# KiCad board EC60.kicad_pcb (continued)
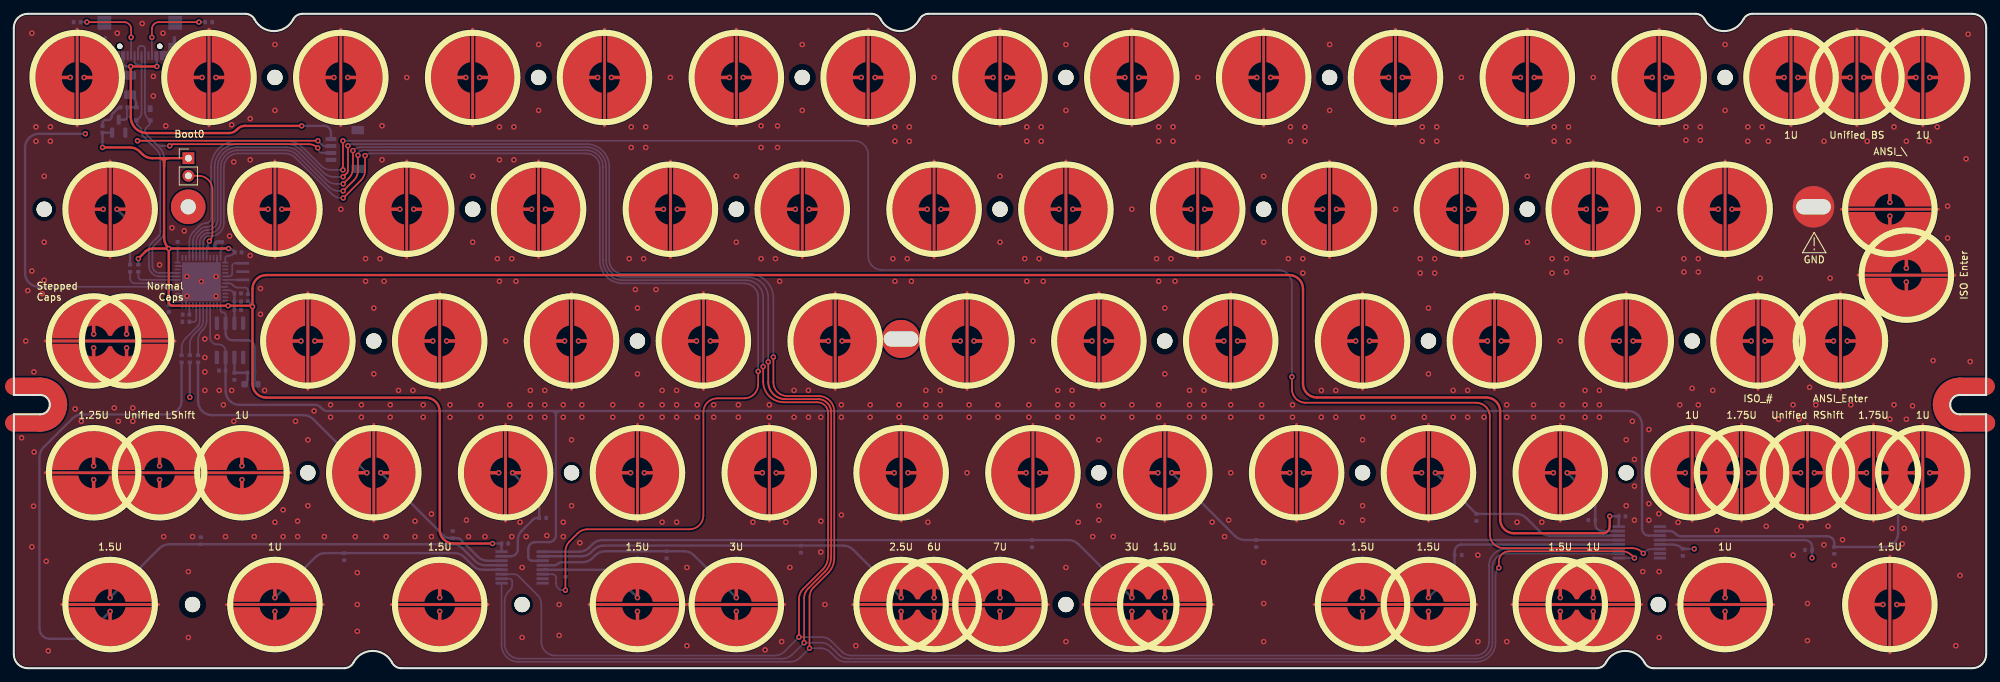
[diagram p0: board, top side]
## Routing (per net, layer and track width the routed paths; a pad name or vN(x,y) marks a point on that pad's centre or on a via; arc(x,y) is an arc through that point) (continued)
VBAT: length 393.6
  Top w0.35: 21.71,72.61 21.71,73.13 ; 21.71,72.61 21.71,73.13 ; 21.71,72.61 21.71,62.3 arc(21.88,61.42) v1(22.39,60.67) ; 21.71,73.13 arc(21.53,73.55) 21.11,73.73 ; 21.71,73.13 arc(21.88,73.55) 22.31,73.73 ; v1(22.39,60.67) 20.07,60.67 arc(19.49,60.55) 19.01,60.23 v1(17.99,59.21) ; v1(22.39,60.67) v1(22.39,53.49) 22.39,52.9 arc(22.53,52.54) 22.89,52.4 v1(30.97,52.4) 34.18,52.4 arc(34.35,52.36) v1(34.48,52.27) ; v1(22.39,60.67) v1(31.03,60.67) ; v1(230.61,21.96) 230.61,20.5 arc(230.31,19.8) 229.61,19.5 216.77,19.5 arc(215.36,20.09) 214.77,21.5 214.77,37.13 arc(214.19,38.55) 212.77,39.13 188.28,39.13 arc(186.87,39.72) 186.28,41.13 186.28,54.83 arc(185.7,56.25) 184.28,56.83 36.48,56.83 arc(35.07,56.25) 34.48,54.83 v1(34.48,52.27) ; SW1.1 19.99,73.73 arc(19.22,73.88) 18.57,74.31 18.19,74.69 arc(17.54,75.13) 16.78,75.28 v1(12.81,75.28) ; v1(34.48,52.27) 34.48,41.11 arc(35.07,39.7) 36.48,39.11 59.54,39.11 arc(60.95,38.53) 61.54,37.11 61.54,20.02 arc(62.12,18.61) 63.54,18.02 v1(69.16,18.02)
  Bottom w0.25: U1.36 C6.1 ; U1.48 29.86,60.15 arc(29.92,60.43) C7.1 ; R26.1 34.38,52.51 arc(34.46,52.4) v1(34.48,52.27) ; U1.1 30.55,59.23 arc(30.66,59.51) 30.94,59.62 31.07,59.62 arc(31.42,59.69) 31.71,59.89 C4.1 ; C13.1 31.63,54.43 arc(31.4,54.58) 31.12,54.64 U1.9 ; C5.1 U1.24
  Bottom w0.35: R22.2 17.99,59.41 ; 31.87,52.39 C8.1 C13.1 ; 31.87,52.39 U3.7 ; 31.87,52.39 31.87,52.4 v1(30.97,52.4) ; v1(230.61,21.96) C12.2 U4.16 ; v1(12.81,75.28) C3.1 U5.2 ; C4.1 31.66,60.4 arc(31.37,60.6) v1(31.03,60.67) 30.08,60.67 arc(30.08,60.67) C7.1 ; v1(22.39,60.67) C6.1 ; v1(22.39,53.49) C5.1 ; U2.16 C9.2 ; 70.47,18.02 v1(69.16,18.02)
VBUS: length 48.4
  Top w0.35: v1(20.67,86.99) v1(16.89,86.99) 16.89,79.73 arc(17.58,78.06) 19.25,77.36 31.11,77.36 arc(31.68,77.48) 32.17,77.8 32.33,77.97 arc(32.82,78.29) 33.4,78.41 v1(41.59,78.41)
  Bottom w0.35: v1(41.59,78.41) 44.82,78.41 arc(45.53,78.11) 45.82,77.41 J1.1 ; 20.65,88.5 20.65,87.01 v1(20.67,86.99) ; 15.75,88.5 15.75,87.59 arc(15.9,87.19) 16.28,86.99 16.89,86.99 arc(16.89,86.99) v1(16.89,86.99) 16.89,85.8 arc(16.86,85.74) F1.2
ADC: length 16.1
  Bottom w0.25: U1.13 29.86,51.72 arc(29.95,51.51) 30.16,51.42 30.3,51.42 arc(30.51,51.33) 30.6,51.12 U3.6
  Bottom w0.35: 32.86,47.4 31.6,47.4 arc(30.89,47.69) 30.6,48.4 U3.6 ; 32.86,47.4 33.77,47.4 arc(34.48,47.11) 34.77,46.4 R16.1 34.77,41.72 arc(34.82,41.48) 34.95,41.27 JP1.1 ; 32.86,47.4 33.67,47.4
AMUX_SEL_0: length 362.7
  Top w0.25: v1(49.73,74.14) 49.73,71.96 arc(49.58,71.19) 49.14,70.54 v1(47.58,68.98) ; v1(113.45,4.49) 113.45,10.01 arc(113.6,10.78) 114.04,11.43 116.87,14.26 arc(117.45,15.13) 117.65,16.15 117.65,36.9 arc(117.2,37.99) 116.11,38.44 111.28,38.44 arc(109.16,39.32) 108.28,41.44 v1(108.28,43.59)
  Bottom w0.25: 85.12,72.45 85.12,58.96 arc(85.97,56.93) 88.01,56.08 105.78,56.08 arc(107.54,55.35) 108.28,53.58 v1(108.28,43.59) ; U2.11 72.25,13.58 arc(72.63,13.51) 72.95,13.29 75.64,10.61 arc(76.07,9.96) 76.22,9.19 76.22,3.82 arc(76.81,2.41) 78.22,1.82 109.95,1.82 arc(110.72,1.97) 111.37,2.41 v1(113.45,4.49) 116.71,4.49 arc(117.48,4.34) 118.13,3.91 119.63,2.41 arc(120.27,1.97) 121.04,1.82 211.17,1.82 arc(212.58,2.41) 213.17,3.82 213.17,14.86 arc(213.86,16.53) 215.53,17.22 U4.11 ; v1(47.58,68.98) 46.97,68.98 arc(46.2,69.13) 45.55,69.57 40.97,74.15 arc(40.17,74.69) 39.23,74.87 32.36,74.87 arc(30.62,74.15) 29.9,72.41 29.9,64.53 arc(29.43,63.38) 28.28,62.9 27.98,62.9 arc(27.7,62.85) 27.47,62.69 27.15,62.37 arc(26.94,62.05) 26.86,61.67 U1.42 ; 85.12,72.48 arc(84.42,74.17) 82.73,74.87 53.95,74.87 53.95,74.87 50.46,74.87 arc(49.94,74.66) v1(49.73,74.14)
AMUX_SEL_1: length 367.1
  Top w0.25: v1(47.58,70.01) 48.42,70.85 arc(48.85,71.5) 49,72.26 v1(49,74.83) ; v1(109.01,44.28) 109.01,41.39 109.01,41.24 109.05,40.94 109.12,40.65 109.23,40.37 109.37,40.1 109.54,39.85 109.74,39.62 109.97,39.42 110.22,39.25 110.49,39.11 110.77,39 111.06,38.93 111.36,38.89 111.51,38.89 116.21,38.89 116.34,38.89 116.61,38.85 116.87,38.78 117.12,38.66 117.35,38.52 117.55,38.34 117.73,38.14 117.87,37.91 117.99,37.66 118.06,37.4 118.1,37.13 118.1,37 118.1,16.08 arc(117.88,14.94) 117.23,13.98 114.78,11.52 arc(114.34,10.88) 114.19,10.11 v1(114.19,3.68)
  Bottom w0.25: v1(109.01,44.28) 109.01,53.53 arc(108.13,55.65) 106.01,56.53 88.02,56.53 arc(86.29,57.25) 85.57,58.98 85.57,72.48 arc(84.74,74.49) 82.73,75.32 ; U4.10 215.65,16.57 arc(214.24,15.99) 213.65,14.57 213.65,3.73 arc(212.96,2.06) 211.29,1.37 120.61,1.37 arc(119.85,1.52) 119.2,1.96 118.06,3.1 arc(117.41,3.53) 116.64,3.68 v1(114.19,3.68) 112.47,1.96 arc(111.82,1.52) 111.05,1.37 73.03,1.37 arc(71.54,1.99) 70.92,3.49 70.92,9.69 arc(71.07,10.46) 71.5,11.1 71.74,11.34 arc(71.95,11.65) 72.02,12.02 72.02,12.55 arc(71.91,12.82) 71.63,12.93 U2.10 ; 82.71,75.32 50.19,75.32 arc(49.55,75.19) v1(49,74.83) ; v1(47.58,70.01) 46.57,70.01 arc(45.81,70.16) 45.16,70.6 41.22,74.53 arc(40.35,75.12) 39.32,75.32 32.35,75.32 arc(30.3,74.47) 29.45,72.42 29.45,64.84 arc(29.02,63.79) 27.96,63.35 27.9,63.35 arc(27.52,63.28) 27.2,63.06 26.8,62.66 arc(26.48,62.18) 26.36,61.6 U1.41
AMUX_SEL_2: length 372.5
  Top w0.25: v1(214.58,14.51) 214.58,15.4 arc(215.02,16.46) 216.08,16.9 232.37,16.9 arc(233.14,16.75) 233.79,16.31 v1(234.18,15.92) ; v1(114.97,2.88) 114.97,10.25 arc(115.12,11.02) 115.56,11.67 117.67,13.78 arc(118.32,14.76) 118.55,15.91 118.55,37.11 arc(117.9,38.69) 116.32,39.34 111.75,39.34 arc(110.34,39.93) 109.75,41.34 v1(109.75,44.98) ; v1(47.57,71.03) 47.58,71.03 48.14,71.6 arc(48.24,71.75) 48.28,71.92 v1(48.28,75.52)
  Bottom w0.25: v1(109.75,44.98) 109.75,53.49 arc(108.73,55.97) 106.25,56.99 88.03,56.99 arc(86.62,57.58) 86.03,58.99 86.03,72.49 arc(85.07,74.81) 82.75,75.77 48.89,75.77 arc(48.56,75.71) v1(48.28,75.52) ; U4.9 v1(234.18,15.92) ; U1.40 25.86,61.53 arc(26.01,62.3) 26.45,62.95 26.97,63.47 arc(27.34,63.71) 27.77,63.8 27.92,63.8 arc(28.69,64.12) 29,64.88 29,72.43 arc(29.98,74.79) 32.35,75.77 39.42,75.77 arc(40.53,75.55) 41.47,74.92 44.77,71.62 arc(45.42,71.19) 46.19,71.03 v1(47.57,71.03) ; U2.9 70.47,3.37 arc(71.18,1.64) 72.91,0.92 112.18,0.92 arc(112.95,1.07) 113.6,1.51 v1(114.97,2.88) 116.56,2.88 arc(117.33,2.73) 117.98,2.3 118.77,1.51 arc(119.42,1.07) 120.18,0.92 211.33,0.92 arc(213.29,1.73) 214.1,3.69 214.1,13.35 arc(214.22,13.98) v1(214.58,14.51)
APLEX_EN_PIN_0: length 188.7
  Top w0.25: v1(47.59,67.97) 47.6,67.97 50.17,70.54 arc(50.6,71.19) 50.75,71.96 v1(50.75,74.1) ; v1(107.55,42.9) 107.55,41.01 arc(106.97,39.6) 105.55,39.01 101.64,39.01 arc(100.22,38.43) 99.64,37.01 99.64,22.08 arc(99.05,20.67) 97.64,20.08 82.88,20.08 arc(82.11,19.93) 81.46,19.49 80.29,18.32 arc(79.85,17.67) 79.7,16.9 v1(79.7,11.27)
  Bottom w0.25: v1(47.59,67.97) 47.34,67.97 arc(46.58,68.12) 45.93,68.56 40.66,73.83 arc(40.01,74.26) 39.24,74.41 32.36,74.41 arc(30.95,73.83) 30.36,72.41 30.36,64.37 arc(29.8,63.02) 28.44,62.45 28.03,62.45 arc(27.88,62.42) 27.76,62.34 27.65,62.23 arc(27.44,61.91) 27.36,61.54 U1.43 ; v1(107.55,42.9) 107.55,53.63 107.55,53.78 107.51,54.06 107.43,54.33 107.31,54.59 107.16,54.83 106.97,55.05 106.75,55.24 106.51,55.39 106.25,55.51 105.98,55.59 105.7,55.63 105.55,55.63 87.97,55.63 arc(85.64,56.6) 84.67,58.92 84.67,72.45 arc(84.1,73.84) 82.71,74.41 51.5,74.41 arc(51.1,74.33) v1(50.75,74.1) ; v1(79.7,11.27) 79.34,11.27 arc(78.64,11.56) 78.34,12.27 78.34,13.08 arc(78.2,13.44) 77.84,13.58 U2.6
APLEX_EN_PIN_1: length 286.4
  Top w0.25: v1(184.68,42.12) 184.68,40.37 184.68,40.23 184.73,39.95 184.81,39.67 184.92,39.41 185.08,39.17 185.27,38.96 185.48,38.77 185.72,38.61 185.98,38.5 186.26,38.42 186.54,38.37 186.68,38.37 211.28,38.37 211.43,38.37 211.71,38.33 211.98,38.25 212.24,38.13 212.48,37.98 212.7,37.79 212.89,37.57 213.04,37.33 213.16,37.07 213.24,36.8 213.28,36.52 213.28,36.37 213.28,19.35 arc(213.87,17.94) 215.28,17.35 233.88,17.35 arc(234.65,17.2) 235.3,16.76 v1(235.46,16.6) ; v1(47.55,72.03) v1(47.55,76.24)
  Bottom w0.25: v1(235.46,16.6) 235.69,16.83 arc(236.13,17.12) 236.63,17.22 U4.6 ; v1(47.55,72.03) 45.83,72.03 arc(45.07,72.18) 44.42,72.62 41.78,75.25 arc(40.69,75.98) 39.4,76.24 32.29,76.24 arc(29.61,75.13) 28.5,72.45 28.5,65.09 arc(28.28,64.56) 27.74,64.33 27.73,64.33 arc(27.24,64.23) 26.82,63.96 25.95,63.08 arc(25.51,62.44) 25.36,61.67 U1.39 ; v1(184.68,42.12) 184.68,55.57 arc(184.1,56.98) 182.68,57.57 125.45,57.57 arc(124.04,58.15) 123.45,59.57 123.45,74.24 arc(122.86,75.66) 121.45,76.24 47.27,76.24
APLEX_OUT_PIN_0: length 267.1
  Bottom w0.25: U3.3 30.6,45.81 arc(30.31,46.51) 29.6,46.81 29.36,46.81 arc(28.65,47.1) 28.36,47.81 U1.16
  Bottom w0.35: U4.3 236.27,19.17 arc(235.57,19.46) 235.27,20.17 235.27,35.18 arc(234.69,36.59) 233.27,37.18 45.28,37.18 arc(44.9,37.26) 44.58,37.47 44.27,37.78 arc(43.94,38) 43.56,38.07 32.6,38.07 arc(31.18,38.66) 30.6,40.07 C10.1 U3.3 ; 78.33,36.58 78.33,19.22 arc(78.04,18.52) 77.33,18.22 75.34,18.22 arc(74.63,17.93) 74.34,17.22 74.34,16.03 arc(74.48,15.68) 74.84,15.53 U2.3 ; 78.33,36.58 arc(78.51,37) 78.93,37.18 ; 78.33,36.58 arc(78.16,37) 77.73,37.18
BOOT0: length 14.7
  Top w0.25: SW1.2 26.69,71.19 arc(28.1,70.6) 28.69,69.19 28.69,62.79 arc(28.58,62.22) v1(28.25,61.73)
  Bottom w0.25: U1.44 27.86,60.42 arc(27.9,60.61) R27.1 28,61.13 arc(28.07,61.45) v1(28.25,61.73)
BOOT1: length 3.2
  Bottom w0.25: R28.2 26.02,50.08 arc(26.26,50.18) 26.36,50.42 U1.20
COL0: length 206.2
  In2.Cu w0.5: v1(11.53,29.25) 13.18,30.9 arc(14.15,31.55) 15.3,31.77 17.29,31.77 arc(18.44,31.55) 19.41,30.9 v1(21.06,29.25) ; v1(8.15,85.4) 5.17,82.42 arc(4.52,81.45) 4.3,80.3 4.3,76.21 arc(4.52,75.06) 5.17,74.09 v1(12.91,66.35) 3.98,57.42 arc(3.33,56.45) 3.1,55.3 ; 13.89,49.62 13.89,50.98 arc(13.6,51.68) 12.89,51.98 3.9,51.98 ; 13.89,49.62 13.26,49.62 arc(12.88,49.54) 12.55,49.32 v1(11.53,48.3) ; 13.89,49.62 14.57,49.62 arc(14.95,49.54) 15.27,49.32 v1(16.29,48.3) ; 8.47,38.89 14.2,38.89 arc(15.62,38.3) 16.2,36.89 16.2,32.57 ; 8.47,38.89 arc(8.04,39.07) 7.87,39.49 ; 8.47,38.89 arc(8.04,38.71) 7.87,38.29 ; 3.1,50.5 3.1,51.18 arc(3.34,51.74) 3.9,51.98 ; 3.1,50.5 3.1,45.97 arc(3.33,44.82) 3.98,43.84 7.72,40.11 arc(7.83,39.94) 7.87,39.75 7.87,39.49 ; 3.1,50.5 3.1,55.3 ; 16.2,32.57 arc(16.44,32.01) 17,31.77 ; 16.2,32.57 arc(15.97,32.01) 15.4,31.77 ; 7.87,39.49 7.87,38.29 ; 3.9,51.98 arc(3.34,52.21) 3.1,52.78 3.1,55.3 ; v1(13.91,10.2) 2.56,21.56 arc(2.12,22.21) 1.97,22.97 1.97,31.04 arc(2.12,31.81) 2.56,32.46 7.72,37.62 arc(7.83,37.78) 7.87,37.97 7.87,38.29
  Bottom w0.35: U2.13 68.09,14.88 arc(67.33,15.03) 66.68,15.47 64.81,17.34 arc(64.17,17.76) 63.42,17.91 22.45,17.91 arc(21.69,17.76) 21.04,17.33 v1(13.91,10.2)
COL1: length 138.4
  In2.Cu w0.5: 32.96,37.53 32.96,36.59 ; 32.96,37.53 v1(32.96,29.25) ; 32.96,37.53 arc(33.19,38.68) 33.84,39.65 v1(41.49,47.3) 33.75,55.04 arc(33.1,56.01) 32.87,57.16 32.87,61.25 arc(33.1,62.4) 33.75,63.37 v1(36.73,66.35) 33.9,69.18 arc(33.25,70.15) 33.02,71.3 33.02,80.34 arc(32.79,81.49) 32.14,82.46 v1(29.2,85.4) ; 33.76,35.38 38.01,35.38 arc(39.43,34.8) 40.01,33.38 40.01,13.32 arc(39.86,12.55) 39.43,11.9 v1(37.72,10.2) ; 33.76,35.38 arc(33.2,35.15) 32.96,34.58 ; 33.76,35.38 arc(33.2,35.62) 32.96,36.18
  Bottom w0.35: v1(37.72,10.2) 43.57,16.05 arc(44.22,16.48) 44.99,16.63 R11.1 63.69,16.63 arc(64.46,16.48) 65.11,16.05 66.33,14.82 arc(66.98,14.39) 67.75,14.24 U2.12
COL2: length 111.7
  In2.Cu w0.5: v1(61.54,10.2) 59.74,12 arc(59.31,12.64) 59.16,13.41 59.16,20.86 arc(58.93,22.01) 58.28,22.99 v1(53.01,28.25) 55.8,31.04 arc(56.45,32.02) 56.68,33.16 56.68,42.2 arc(56.91,43.35) 57.56,44.32 v1(60.54,47.3) 52.8,55.04 arc(52.15,56.01) 51.92,57.16 51.92,61.25 arc(52.15,62.4) 52.8,63.37 v1(55.78,66.35) 52.95,69.18 arc(52.3,70.15) 52.07,71.3 52.07,80.34 arc(51.84,81.49) 51.19,82.46 v1(48.25,85.4)
  Bottom w0.35: v1(53.01,28.25) 61.33,19.93 62.16,19.11 arc(62.44,18.91) 62.77,18.81 63.42,18.81 R9.1 63.92,18.81 arc(64.31,18.74) 64.63,18.52 67.04,16.12 arc(67.68,15.68) 68.45,15.53 U2.14
COL3: length 84.8
  In2.Cu w0.5: v1(67.3,85.4) 70.24,82.46 arc(70.89,81.49) 71.12,80.34 71.12,71.3 arc(71.35,70.15) 72,69.18 v1(74.83,66.35) 71.85,63.37 arc(71.2,62.4) 70.97,61.25 70.97,57.16 arc(71.2,56.01) 71.85,55.04 v1(79.59,47.3) 76.61,44.32 arc(75.96,43.35) 75.73,42.2 75.73,33.16 arc(75.5,32.02) 74.85,31.04 v1(72.06,28.25)
  Bottom w0.35: v1(72.06,28.25) 75.33,24.99 arc(75.76,24.34) 75.91,23.57 R10.1 75.61,21.72 arc(75.28,21.66) 75,21.47 73.41,19.88 arc(72.97,19.23) 72.82,18.46 72.82,17.18 arc(72.53,16.47) 71.82,16.18 U2.15
COL4: length 104.3
  In2.Cu w0.5: v1(86.35,85.4) 89.29,82.46 arc(89.94,81.49) 90.17,80.34 90.17,71.3 arc(90.4,70.15) 91.05,69.18 v1(93.88,66.35) 90.9,63.37 arc(90.25,62.4) 90.02,61.25 90.02,57.16 arc(90.25,56.01) 90.9,55.04 v1(98.64,47.3) 95.66,44.32 arc(95.01,43.35) 94.78,42.2 94.78,33.16 arc(94.55,32.02) 93.9,31.04 v1(91.11,28.25) 93.9,25.46 arc(94.55,24.48) 94.78,23.34 94.78,15.7 arc(94.63,14.93) 94.2,14.28 v1(90.11,10.2)
  Bottom w0.35: v1(90.11,10.2) 86.68,13.64 arc(86.03,14.07) 85.26,14.22 R13.1 79.71,14.24 U2.5
COL5: length 119.4
  In2.Cu w0.5: v1(105.4,85.4) 108.34,82.46 arc(108.99,81.49) 109.22,80.34 109.22,71.3 arc(109.45,70.15) 110.1,69.18 v1(112.93,66.35) 109.95,63.37 arc(109.3,62.4) 109.07,61.25 109.07,57.16 arc(109.3,56.01) 109.95,55.04 v1(117.69,47.3) 114.71,44.32 arc(114.06,43.35) 113.83,42.2 113.83,33.16 arc(113.6,32.02) 112.95,31.04 v1(110.16,28.25) 110.16,16.79 arc(110.01,16.03) 109.58,15.38 v1(104.4,10.2)
  Bottom w0.35: U2.4 78.12,14.88 arc(78.41,14.94) 78.65,15.1 arc(78.9,15.26) 79.19,15.32 82.19,15.32 arc(82.96,15.47) 83.61,15.91 84.01,16.31 arc(84.66,16.75) 85.43,16.9 94.32,16.9 R15.1 96.87,16.9 arc(97.64,16.75) 98.29,16.31 v1(104.4,10.2)
COL6: length 163.6
  In2.Cu w0.5: v1(124.45,85.4) 127.39,82.46 arc(128.04,81.49) 128.27,80.34 128.27,71.3 arc(128.5,70.15) 129.15,69.18 v1(131.98,66.35) 129,63.37 arc(128.35,62.4) 128.12,61.25 128.12,57.16 arc(128.35,56.01) 129,55.04 v1(136.74,47.3) 133.76,44.32 arc(133.11,43.35) 132.88,42.2 132.88,33.16 arc(132.65,32.02) 132,31.04 v1(129.21,28.25) 134.98,22.49 arc(135.41,21.84) 135.56,21.07 135.56,13.97 ; 135.56,13.97 arc(135.33,13.4) 134.76,13.17 ; 135.56,13.97 arc(135.8,13.4) 136.36,13.17 ; SW75.1 140.41,12.29 arc(139.44,12.94) 138.29,13.17 132.42,13.17 arc(131.28,12.94) 130.3,12.29 128.21,10.2 ; 132.97,10.2 132.97,12.37 ; 132.97,12.37 arc(133.21,12.94) 133.77,13.17 ; 132.97,12.37 arc(132.74,12.94) 132.17,13.17
  Bottom w0.35: U2.2 82.02,16.18 arc(82.79,16.33) 83.44,16.77 83.81,17.14 arc(84.46,17.57) 85.22,17.72 119.86,17.72 arc(120.63,17.57) 121.28,17.14 v1(128.21,10.2)
  vias: v1(132.98,10.2) v1(142.5,10.2)
COL7: length 188.2
  In2.Cu w0.5: v1(166.31,10.2) 165.23,11.29 165.23,11.29 arc(164.9,11.5) 164.52,11.58 163.34,11.58 arc(162.96,11.5) 162.64,11.29 v1(161.55,10.2) ; 163.93,12.17 163.93,14.1 arc(163.35,15.51) 161.93,16.1 161.24,16.1 arc(160.48,16.25) 159.83,16.69 v1(148.26,28.25) 151.05,31.04 arc(151.7,32.02) 151.93,33.16 151.93,42.2 arc(152.16,43.35) 152.81,44.32 v1(155.79,47.3) 148.05,55.04 arc(147.4,56.01) 147.17,57.16 147.17,61.25 arc(147.4,62.4) 148.05,63.37 v1(151.03,66.35) 148.2,69.18 arc(147.55,70.15) 147.32,71.3 147.32,80.34 arc(147.09,81.49) 146.44,82.46 v1(143.5,85.4) ; 163.93,12.17 arc(163.76,11.75) 163.34,11.58 ; 163.93,12.17 arc(164.11,11.75) 164.53,11.58
  Bottom w0.35: v1(161.55,10.2) 153.82,17.94 arc(153.17,18.37) 152.4,18.52 85.05,18.52 arc(84.29,18.37) 83.64,17.94 83.12,17.42 arc(82.47,16.98) 81.7,16.83 U2.1
COL8: length 136.3
  In2.Cu w0.5: v1(167.31,28.25) 170.1,31.04 arc(170.75,32.02) 170.98,33.16 170.98,42.2 arc(171.21,43.35) 171.86,44.32 v1(174.84,47.3) 167.1,55.04 arc(166.45,56.01) 166.22,57.16 166.22,61.25 arc(166.45,62.4) 167.1,63.37 v1(170.08,66.35) 167.25,69.18 arc(166.6,70.15) 166.37,71.3 166.37,80.34 arc(166.14,81.49) 165.49,82.46 v1(162.55,85.4)
  Bottom w0.35: v1(167.31,28.25) 176.45,19.12 arc(177.1,18.68) 177.86,18.53 231.9,18.53 U4.13
COL9: length 134.6
  In2.Cu w0.5: 198.68,13.17 198.91,13.17 arc(199.48,13.41) 199.71,13.97 ; 198.68,13.17 200.51,13.17 ; 198.68,13.17 arc(197.92,13.02) 197.27,12.59 v1(194.89,10.2) ; v1(181.6,85.4) 184.54,82.46 arc(185.19,81.48) 185.42,80.34 185.42,71.3 arc(185.65,70.15) 186.3,69.18 v1(189.13,66.35) 186.15,63.37 arc(185.5,62.4) 185.27,61.25 185.27,57.16 arc(185.5,56.01) 186.15,55.04 v1(193.89,47.3) 190.91,44.32 arc(190.26,43.35) 190.03,42.2 190.03,33.16 arc(189.8,32.02) 189.15,31.04 v1(186.36,28.25) 199.42,15.19 arc(199.63,14.87) 199.71,14.49 ; 200.51,13.17 200.62,13.17 arc(201.38,13.02) 202.03,12.59 v1(204.41,10.2) ; 200.51,13.17 arc(199.94,13.41) 199.71,13.97 ; 199.71,13.97 199.71,14.51
  Bottom w0.35: v1(204.41,10.2) 207.61,13.4 arc(208.04,14.05) 208.19,14.81 R21.1 208.19,16.87 arc(208.49,17.58) 209.19,17.87 U4.12
COL10: length 130.4
  In2.Cu w0.5: 225.27,11.6 222.89,11.6 arc(222.13,11.75) 221.48,12.18 v1(205.41,28.25) 208.2,31.04 arc(208.85,32.02) 209.08,33.16 209.08,42.2 arc(209.31,43.35) 209.96,44.32 v1(212.94,47.3) 205.2,55.04 arc(204.55,56.01) 204.32,57.16 204.32,61.25 arc(204.55,62.4) 205.2,63.37 v1(208.18,66.35) 205.35,69.18 arc(204.7,70.15) 204.47,71.3 204.47,80.34 arc(204.24,81.48) 203.59,82.46 v1(200.65,85.4) ; 225.27,11.6 226.41,11.6 arc(226.8,11.52) 227.12,11.31 v1(228.23,10.2) ; 225.27,11.6 arc(224.89,11.52) 224.57,11.31 v1(223.46,10.2)
  Bottom w0.35: U4.14 221.91,19.17 arc(221.15,19.32) 220.5,19.75 218.54,21.71 arc(217.89,22.14) 217.13,22.3 R19.1 205.41,28.23 v1(205.41,28.25)
COL11: length 114
  In2.Cu w0.5: v1(219.7,85.4) 222.64,82.46 arc(223.29,81.48) 223.52,80.34 223.52,71.3 arc(223.75,70.15) 224.4,69.18 v1(227.23,66.35) 224.25,63.37 arc(223.6,62.4) 223.37,61.25 223.37,57.16 arc(223.6,56.01) 224.25,55.04 v1(231.99,47.3) 229.01,44.32 arc(228.36,43.35) 228.13,42.2 228.13,33.16 arc(227.9,32.02) 227.25,31.04 v1(224.46,28.25) 227.93,24.78 arc(228.37,24.13) 228.52,23.36 228.52,19.1 arc(228.81,18.39) 229.52,18.1 238.55,18.1 arc(239.31,17.95) 239.96,17.51 v1(247.27,10.2)
  Bottom w0.35: v1(224.46,28.25) 227.94,24.78 arc(228.37,24.13) 228.52,23.36 228.52,20.82 arc(228.79,20.15) 229.44,19.82 231.91,19.82 U4.15
COL12: length 117.8
  In2.Cu w0.5: v1(238.75,85.4) 241.69,82.46 arc(242.34,81.48) 242.57,80.34 242.57,71.3 arc(242.8,70.15) 243.45,69.18 v1(246.28,66.35) 243.3,63.37 arc(242.65,62.4) 242.42,61.25 242.42,57.16 arc(242.65,56.01) 243.3,55.04 v1(251.04,47.3) 242.39,38.65 arc(241.74,37.68) 241.51,36.53 v1(241.51,28.25) 239.46,26.19 arc(239.02,25.54) 238.87,24.78 238.87,22.03 arc(239.02,21.26) 239.46,20.61 v1(242.82,17.25) 253.29,17.25 arc(254.06,17.1) 254.71,16.66 261.58,9.79 arc(262.23,9.35) 263,9.2 v1(270.09,9.2)
  Bottom w0.35: U4.5 239.67,17.87 arc(240.48,17.71) R23.1 v1(242.82,17.25)
COL13: length 194.1
  In2.Cu w0.5: 253.63,28.25 v1(250.66,28.25) v1(258.18,28.25) 255.23,28.25 ; 253.63,28.25 arc(254.19,28.48) 254.43,29.05 ; 253.63,28.25 arc(254.2,28.02) 254.43,27.45 ; v1(264.94,47.3) 270.89,47.3 ; v1(259.84,15.94) 255.02,20.76 arc(254.58,21.41) 254.43,22.18 254.43,27.45 ; v1(273.47,55.82) 273.47,48.68 ; 273.47,48.68 273.47,46.12 ; 273.47,48.68 273.47,48.1 arc(273.23,47.53) 272.67,47.3 ; 270.89,47.3 272.67,47.3 ; 270.89,47.3 272.67,47.3 ; 272.67,47.3 arc(273.23,47.07) 273.47,46.5 273.47,46.12 ; 271.09,73.09 271.09,74.28 ; 271.09,73.09 271.09,74.28 ; 271.09,73.09 v1(271.09,67.35) ; 271.09,74.28 arc(271.32,74.85) 271.89,75.08 ; 271.09,74.28 arc(270.85,74.85) 270.29,75.08 268.91,75.08 ; 268.91,75.08 253.65,75.08 arc(252.23,75.67) 251.65,77.08 251.65,80 arc(251.88,81.15) 252.53,82.13 v1(255.8,85.4) ; 268.91,75.08 272.43,75.08 arc(273.58,74.86) 274.55,74.21 280.53,68.22 arc(281.18,67.25) 281.41,66.1 281.41,51.92 arc(281.18,50.77) 280.53,49.8 272.59,41.85 ; 273.47,46.12 273.47,43.97 arc(273.24,42.83) 272.59,41.85 ; 254.43,27.45 arc(254.66,28.02) 255.23,28.25 ; 272.59,41.85 270.98,40.24 arc(270.01,39.59) 268.86,39.37 261.22,39.37 arc(260.08,39.14) 259.1,38.49 255.31,34.69 arc(254.66,33.72) 254.43,32.57 254.43,29.05 ; 255.23,28.25 arc(254.66,28.48) 254.43,29.05
  Bottom w0.35: v1(259.84,15.94) 259.84,15.94 R25.1 259.84,17.52 arc(259.55,18.23) 258.84,18.52 U4.4
COL14: length 134.5
  In2.Cu w0.5: v1(267.33,85.4) v1(274.85,85.4) ; 271.1,84.6 271.1,81.58 arc(271.33,80.43) 271.98,79.46 282.32,69.12 arc(282.97,68.14) 283.2,67 283.2,49.54 arc(282.97,48.39) 282.32,47.42 273.17,38.26 arc(272.52,37.29) 272.29,36.14 272.29,29.05 ; 271.1,84.6 arc(271.33,85.17) 271.9,85.4 ; 271.1,84.6 arc(270.86,85.17) 270.3,85.4 ; 272.29,29.05 arc(272.05,28.48) 271.49,28.25 ; 272.29,29.05 arc(272.52,28.48) 273.09,28.25 ; v1(269.71,28.25) v1(274.85,28.25)
  Bottom w0.35: v1(274.85,28.25) 272.88,28.25 ; 271.48,28.25 v1(269.71,28.25) ; 271.48,28.25 271.68,28.25 arc(272.1,28.07) 272.28,27.65 ; 271.48,28.25 272.88,28.25 ; 272.28,27.65 272.28,19.52 arc(271.69,18.11) 270.28,17.52 263.05,17.52 R24.1 263.05,18.07 arc(262.76,18.78) 262.05,19.07 240.89,19.07 arc(240.51,19.14) 240.18,19.36 240.02,19.53 arc(239.69,19.74) 239.31,19.82 U4.2 ; 272.28,27.65 arc(272.45,28.07) 272.88,28.25
D+: length 66.9
  Top w0.25: v1(43.92,75.21) arc(43.32,75.61) 42.62,75.75 23.11,75.75 arc(22.79,75.69) v1(22.52,75.51)
  Bottom w0.25: U1.33 21.03,57.14 arc(20.65,57.22) 20.33,57.43 20.32,57.44 arc(20.1,57.77) 20.02,58.15 20.02,60.45 arc(20.1,60.84) 20.32,61.16 21.24,62.09 arc(21.57,62.58) 21.68,63.15 21.68,73.8 arc(21.53,74.56) 21.1,75.21 20.08,76.22 ; 20.08,76.22 19.1,77.21 arc(18.99,77.37) 18.95,77.57 18.95,77.71 arc(18.99,77.9) 19.1,78.07 19.55,78.52 arc(19.66,78.68) 19.7,78.88 D1.2 19.65,79.19 19.24,79.6 arc(19.03,79.93) 18.95,80.31 18.95,89.61 arc(18.85,89.86) 18.59,89.97 18.34,89.97 arc(18.07,89.85) 17.95,89.57 17.95,88.5 ; 20.08,76.22 20.36,75.95 arc(20.85,75.62) 21.42,75.51 v1(22.52,75.51) ; J1.3 44.65,74.48 arc(44.14,74.7) v1(43.92,75.21)
D-: length 70.5
  Top w0.25: v1(17.86,76.25) v1(43.93,76.25)
  Bottom w0.25: 20,75.6 18.74,76.86 arc(18.53,77.18) 18.45,77.57 18.45,77.71 arc(18.41,77.9) 18.3,78.07 17.85,78.52 arc(17.74,78.68) 17.7,78.88 D1.3 17.75,79.19 18.16,79.6 arc(18.37,79.92) 18.45,80.3 18.45,88.5 ; 20,75.6 19.79,75.81 arc(19.3,76.14) 18.73,76.25 v1(17.86,76.25) ; 20,75.6 20.6,75 arc(21.03,74.36) 21.18,73.59 21.18,63.15 arc(21.11,62.77) 20.89,62.44 19.96,61.52 arc(19.64,61.03) 19.52,60.45 19.52,58.15 arc(19.64,57.58) 19.96,57.09 19.97,57.08 arc(20.46,56.75) 21.03,56.64 U1.32 ; 17.45,88.5 17.45,87.58 arc(17.54,87.37) 17.74,87.29 17.99,87.29 arc(18.33,87.14) 18.48,86.8 ; v1(43.93,76.25) 44.56,75.63 arc(44.72,75.52) 44.91,75.48 J1.2
NRST: length 4.3
  Bottom w0.25: U1.7 31.09,55.64 arc(31.38,55.58) 31.61,55.42 31.77,55.27 arc(32.04,55.09) 32.36,55.02 33.44,55.02 arc(33.73,54.9) 33.86,54.61 R26.2
ROW0: length 586.3
  In1.Cu w0.5: 67.49,77.26 74.96,77.26 arc(76.11,77.48) 77.08,78.13 v1(84.35,85.4) ; 67.49,77.26 49.63,77.26 ; 67.49,77.26 88.52,77.26 ; 88.52,77.26 94.01,77.26 arc(95.16,77.48) 96.13,78.13 v1(103.4,85.4) ; 88.52,77.26 107.48,77.26 ; v1(276.85,85.4) 280.92,81.34 arc(281.13,81.01) 281.21,80.63 281.21,78.26 arc(280.92,77.55) 280.21,77.26 265.13,77.26 ; 257.18,77.26 260.77,77.26 arc(261.34,77.49) 261.57,78.06 ; 257.18,77.26 265.13,77.26 ; 257.18,77.26 251.44,77.26 ; 185.11,77.26 189.26,77.26 arc(190.41,77.48) 191.38,78.13 v1(198.65,85.4) ; 185.11,77.26 202.97,77.26 ; 185.11,77.26 164.12,77.26 ; 265.13,77.26 262.37,77.26 arc(261.81,77.49) 261.57,78.06 ; 49.63,77.26 30.92,77.26 ; 49.63,77.26 55.91,77.26 arc(57.06,77.48) 58.03,78.13 v1(65.3,85.4) ; 251.44,77.26 252.04,77.26 248.14,77.26 ; 251.44,77.26 221.87,77.26 ; 202.97,77.26 221.87,77.26 ; 202.97,77.26 208.31,77.26 arc(209.46,77.48) 210.43,78.13 v1(217.7,85.4) ; 144.92,77.26 151.16,77.26 arc(152.31,77.48) 153.28,78.13 v1(160.55,85.4) ; 144.92,77.26 164.12,77.26 ; 144.92,77.26 125.28,77.26 ; 17.81,77.26 13.06,77.26 ; 17.81,77.26 16.51,77.26 arc(15.09,77.84) 14.51,79.26 14.51,80.21 arc(14.36,80.98) 13.92,81.63 v1(10.15,85.4) ; 17.81,77.26 arc(18.96,77.48) 19.93,78.13 v1(27.2,85.4) ; 13.06,77.26 30.92,77.26 ; 13.06,77.26 v1(10.34,77.26) ; 221.87,77.26 227.36,77.26 arc(228.51,77.48) 229.48,78.13 v1(236.75,85.4) ; 107.48,77.26 113.06,77.26 arc(114.21,77.48) 115.18,78.13 v1(122.45,85.4) ; 107.48,77.26 125.28,77.26 ; 125.28,77.26 132.11,77.26 arc(133.26,77.48) 134.23,78.13 v1(141.5,85.4) ; 30.92,77.26 36.86,77.26 arc(38.01,77.48) 38.98,78.13 v1(46.25,85.4) ; 261.57,79.06 261.57,78.06 ; 261.57,79.06 261.57,82.42 ; 261.57,79.06 261.57,78.06 ; 261.57,84.6 261.57,82.42 ; 261.57,84.6 261.57,82.42 ; 261.57,84.6 arc(261.34,85.17) 260.77,85.4 v1(257.8,85.4) v1(265.33,85.4) 262.37,85.4 arc(261.81,85.17) 261.57,84.6 ; 164.12,77.26 170.21,77.26 arc(171.36,77.48) 172.33,78.13 v1(179.6,85.4)
  Bottom w0.35: R6.1 3.62,55.14 arc(2.2,55.73) 1.62,57.14 1.62,75.26 arc(2.2,76.67) 3.62,77.26 v1(10.34,77.26)
ROW1: length 534.5
  In1.Cu w0.5: 191.91,58.21 211.56,58.21 ; 191.91,58.21 181.46,58.21 arc(180.31,58.43) 179.34,59.08 v1(172.08,66.35) ; 191.91,58.21 171.08,58.21 ; 211.56,58.21 228.23,58.21 ; 211.56,58.21 200.51,58.21 arc(199.36,58.43) 198.39,59.08 v1(191.13,66.35) ; 228.23,58.21 219.56,58.21 arc(218.41,58.43) 217.44,59.08 v1(210.18,66.35) ; 228.23,58.21 246.68,58.21 ; v1(248.28,66.35) 255.54,59.08 arc(256.51,58.43) 257.66,58.21 ; v1(76.83,66.35) 84.09,59.08 arc(85.06,58.43) 86.21,58.21 93.68,58.21 ; v1(14.91,66.35) 22.18,59.08 arc(23.15,58.43) 24.3,58.21 57.97,58.21 ; v1(114.93,66.35) 122.19,59.08 arc(123.16,58.43) 124.31,58.21 135.36,58.21 ; 171.08,58.21 162.41,58.21 arc(161.26,58.43) 160.29,59.08 v1(153.03,66.35) ; 171.08,58.21 150.83,58.21 ; 57.97,58.21 77.02,58.21 ; 57.97,58.21 48.11,58.21 arc(46.96,58.43) 45.99,59.08 v1(38.73,66.35) ; 77.02,58.21 93.68,58.21 ; 77.02,58.21 67.16,58.21 arc(66.01,58.43) 65.04,59.08 v1(57.78,66.35) ; 246.68,58.21 238.61,58.21 arc(237.46,58.43) 236.49,59.08 v1(229.23,66.35) ; 246.68,58.21 262.7,58.21 arc(263.85,58.43) 264.82,59.08 v1(271.09,65.35) 271.09,63.62 arc(271.24,62.85) 271.67,62.2 272.88,60.99 arc(273.32,60.34) 273.47,59.58 v1(273.47,57.83) ; 150.83,58.21 135.36,58.21 ; 150.83,58.21 143.36,58.21 arc(142.21,58.43) 141.24,59.08 v1(133.98,66.35) ; 135.36,58.21 116.31,58.21 ; 93.68,58.21 116.31,58.21 ; 116.31,58.21 105.26,58.21 arc(104.11,58.43) 103.14,59.08 v1(95.88,66.35)
  Bottom w0.35: R7.2 16.8,63.64 arc(16.64,64.4) 16.21,65.05 v1(14.91,66.35)
